# Altium PCB openmv2025.PcbDoc (part 2 of 2)
Units mm, origin at the board's own origin, x right, y up, seen from the top; angles counter-clockwise.
Board outline 130 x 110.34 mm, 2 copper layers (Top Layer, Bottom Layer); 112 components, 172 nets, 482 pads, 127 vias.
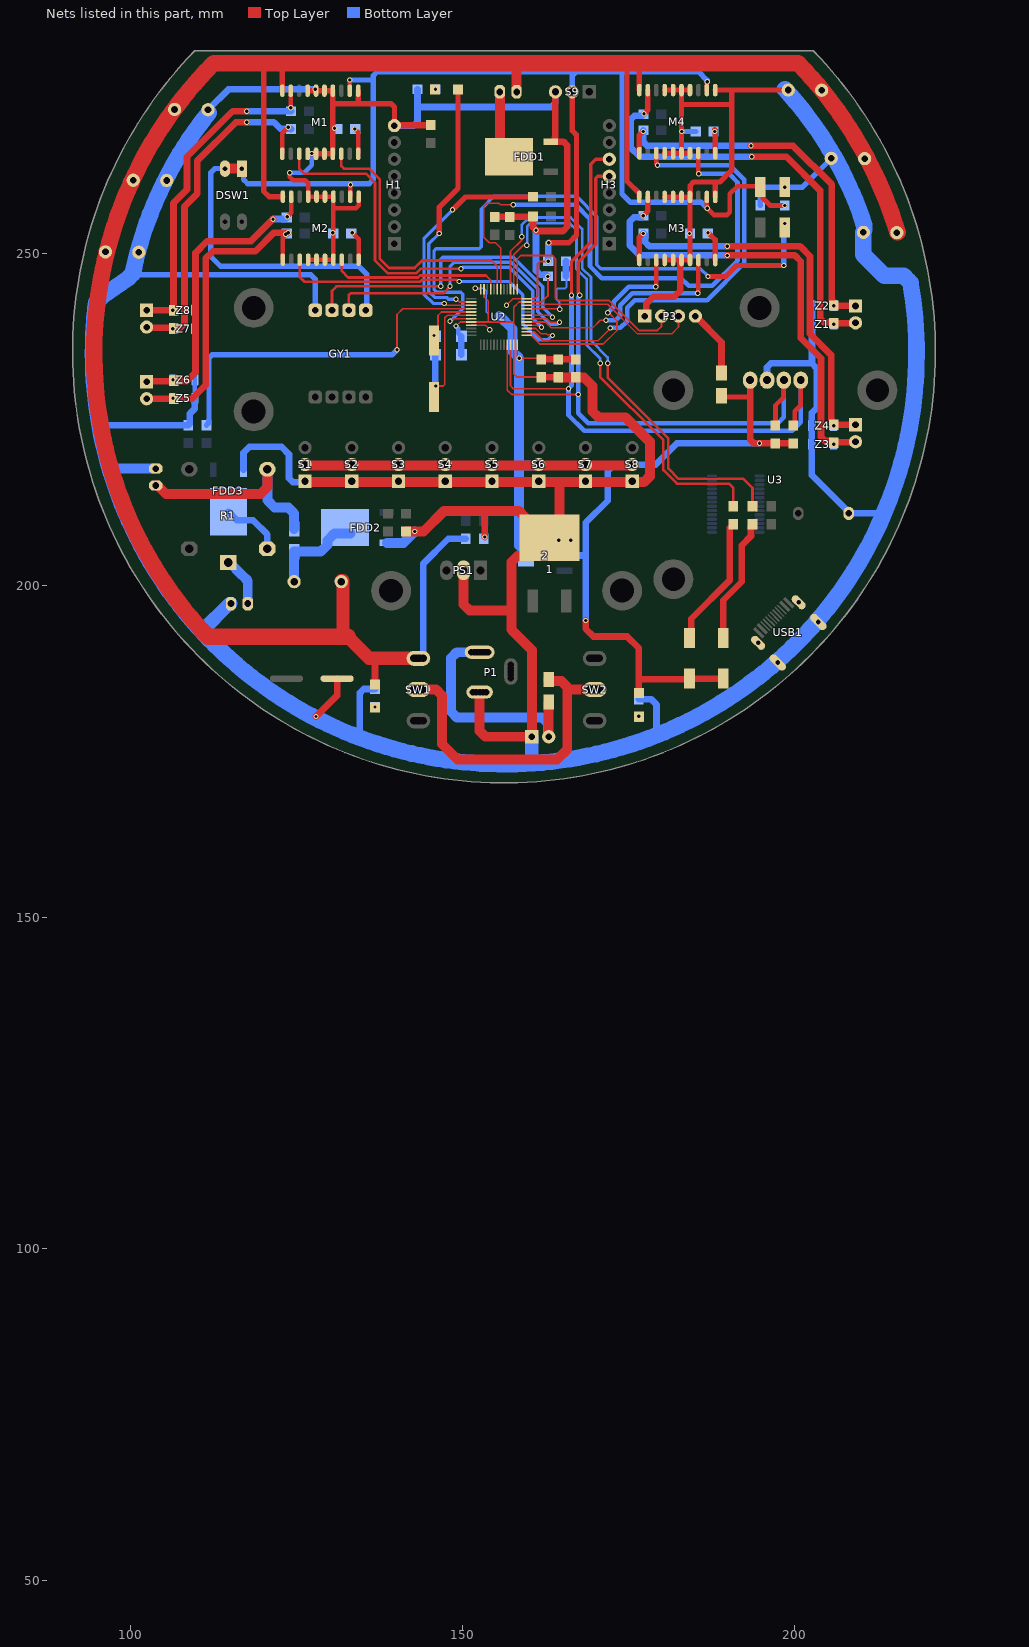
[diagram p2: the nets of this part, all layers, seen from the top]

## Via types
v1: diameter 0.8, hole 0.5, Top Layer to Bottom Layer, tented both sides, 127 vias

## Nets (pads, with @x,y where several pads share a name; then routed paths per layer and width w, separated by ;. In a path a pad name is that pad's centre, name@x,y a point inside that pad or via, vN(x,y) a via of type N, cw(c..) or ccw(c..) an arc to the next point about the centre after c; other vN are vias at no path point) (continued)
GND: 1.4 2.1 b1.2 C1.- C2.- C3.- C6.2 C7.1 C8.1 C9.1 C10.1 C11.- C12.- C15.- C16.1 C17.1 C22.2 C23.2 C24.1 C25.1 CAP1.2 FDD1.3 FDD2.3 FDD3.3 GY1.4 H1.8 H2.1 M1.1 M1.4 M1.5 M1.6 M1.7 M1.14 M1.15 M1.16 M1.17 M2.1 M2.4 M2.5 M2.6 M2.7 M2.14 M2.15 M2.16 M2.17 M3.1 M3.4 M3.5 M3.6 M3.7 M3.14 M3.15 M3.16 M3.17 M4.1 M4.4 M4.5 M4.6 M4.7 M4.14 M4.15 M4.16 M4.17 P1.2 P3.1 PS1.2 R2.1 R4.1 R5.1 R6.2 R14.1 R15.1 R17.2 R18.2 R20.1 R21.1 R23.1 S1.1 S2.1 S3.1 S4.1 S5.1 S6.1 S7.1 S8.1 S9.3 SHOOT1.1 SW6.2 U2.8 U2.23 U2.35 U2.47 U3.2 USB1.13 USB1.14 USB1.15 USB1.16 Z1.1 Z2.1 Z3.1 Z4.1 Z5.1 Z6.1 Z7.1 Z8.1 | length 950.9
  Top Layer w0.25: v1(148.971,239.035) 149.597,239.661 U2.8@151.268,239.661 153.82,239.661 ; U2.47@153.198,244.591 153.198,243.423 153.82,242.801 153.82,239.661 ; 158.115,231.394 157.698,231.811 U2.23@157.698,236.231 157.698,239.649 ; 162.818,243.59 161.889,242.661 U2.35@159.628,242.661 158.473,242.661 157.698,241.886 157.698,239.649 ; 153.82,239.661 157.686,239.661 157.698,239.649
  Top Layer w0.3: 158.115,231.394 161.718,231.394 C8.1@161.798,231.314 ; 162.818,243.59 v1(162.818,246.519)
  Top Layer w0.7: v1(123.952,262.128) 123.952,261.493 124.46,260.985 126.284,260.985 126.694,260.575 M2.7@126.694,258.539 M2.6@127.964,258.539 M2.5@129.234,258.539 M2.4@130.504,258.539 130.504,256.794 ; M2.14@126.694,249.039 M2.15@127.964,249.039 M2.16@129.234,249.039 M2.17@130.504,249.039 130.504,256.794 ; M2.1@134.314,258.539 134.314,257.204 133.904,256.794 130.504,256.794
  Top Layer w0.8: M1.7@126.619,274.498 M1.6@127.889,274.498 M1.5@129.159,274.498 M1.4@130.429,274.498 130.429,272.542 ; v1@127.254,264.998 M1.15@127.889,264.998 M1.16@129.159,264.998 M1.17@130.429,264.998 130.429,272.542 ; M1.1@134.239,274.498 134.239,272.542 ; H1.8@139.7,269.24 139.7,272.034 139.192,272.542 134.239,272.542 ; M3.14@180.415,248.996 M3.15@181.685,248.996 M3.16@182.955,248.996 M3.17@184.225,248.996 M3.4@184.225,258.496 ; M3.7@180.415,258.496 M3.6@181.685,258.496 M3.5@182.955,258.496 M3.4@184.225,258.496 ; M4.14@180.415,265.094 M4.15@181.685,265.094 M4.16@182.955,265.094 ; M4.7@180.415,274.594 M4.6@181.685,274.594 M4.5@182.955,274.594 ; v1@182.955,268.403 182.955,272.415 ; v1(183.007,268.351) 182.955,268.299 M4.16@182.955,265.094 ; M4.17@184.225,265.094 M4.16@182.955,265.094 ; M4.4@184.225,274.594 M4.5@182.955,274.594 ; M3.1@188.035,258.496 188.035,260.731 ; M4.1@188.035,274.594 190.5,274.594 ; C11.-@199.032,274.594 190.5,274.594 ; 130.429,272.542 134.239,272.542 ; 182.955,272.415 M4.5@182.955,274.594 ; 182.955,272.415 190.5,272.415 ; M3.4@184.225,258.496 184.275,258.546 184.275,260.221 184.785,260.731 188.035,260.731 ; 188.035,260.731 188.722,260.731 190.5,262.509 190.5,272.415 ; 190.5,272.415 190.5,274.594
  Top Layer w1: v1(127.889,180.213) 131.064,183.388 C6.2@131.064,185.928 ; H1.8@139.7,269.24 139.74,269.28 145.121,269.28 C7.1@145.161,269.32 ; 153.162,211.201 153.289,211.074 v1(153.289,207.264) ; R4.1@154.813,255.477 154.843,255.507 160.545,255.507 R6.2@160.575,255.536 160.575,253.951 161.161,253.365 165.1,253.365 165.735,254 165.735,266.235 165.149,266.821 FDD1.3@163.875,266.821 ; 157.226,198.247 157.353,198.374 ; C8.1@161.798,231.314 C9.1@164.401,231.314 ; FDD1.3@163.275,266.821 FDD1.3@163.875,266.821 ; S9.3@163.957,274.32 163.957,267.503 163.875,267.421 FDD1.3@163.875,266.821 ; P3.1@177.419,240.538 177.654,240.773 177.654,242.424 178.689,243.459 181.864,243.459 182.753,244.348 182.753,248.194 182.805,248.246 182.805,248.846 M3.16@182.955,248.996
  Top Layer w1.5: S1.1@126.238,215.519 133.279,215.519 140.321,215.519 147.362,215.519 154.404,215.519 161.445,215.519 164.55,215.519 ; R2.1@141.431,208.085 v1(142.754,208.085) 144.077,208.085 147.193,211.201 153.162,211.201 158.439,211.201 159.318,210.322 159.318,209.887 162.068,207.137 1.4@163.068,207.137 ; PS1.2@150.114,202.247 150.114,197.094 150.993,196.215 157.353,196.215 ; P1.2@153.543,183.896 P1.2@152.543,183.896 152.543,178.044 153.422,177.165 H2.1@160.401,177.165 160.401,190.246 157.353,193.294 157.353,196.215 ; C9.1@164.401,231.314 C10.1@167.005,231.314 167.03,231.289 168.253,231.289 169.545,229.997 169.545,226.177 170.424,225.298 174.498,225.298 178.181,221.615 178.181,216.398 177.302,215.519 175.528,215.519 168.487,215.519 164.55,215.519 ; 157.353,196.215 157.353,198.374 157.353,203.508 158.232,204.387 160.318,204.387 1.4@163.068,207.137 ; 1.4@163.068,207.137 164.55,208.619 164.55,215.519
  Bottom Layer w0.7: Z7.1@109.6,238.638 Z8.1@109.6,241.427 ; Z7.1@109.622,238.638 109.622,228.171 Z5.1@109.643,228.149 ; v1(123.952,262.128) 126.111,262.128 127.254,263.271 v1(127.254,265.049) ; v1(148.971,239.035) 148.971,239.008 149.303,238.676 149.303,237.965 C23.2@149.778,237.49 ; H2.1@160.401,177.165 H2.1@160.586,176.98
  Bottom Layer w0.8: 100.417,247.639 101.295,246.761 127.127,246.761 127.762,246.126 GY1.4@127.762,241.427 ; v1(183.007,268.351) C16.1@185.086,268.351 ; R14.1@194.818,257.255 194.818,259.5 195.287,259.969 v1(198.501,259.969) 201.171,259.969 C12.-@205.509,264.307
  Bottom Layer w1: 95.266,224.135 95.294,224.108 R23.1@108.653,224.108 108.878,224.333 108.878,225.845 109.593,226.56 109.593,228.099 Z5.1@109.643,228.149 ; C3.-@111.61,271.633 114.678,274.701 v1(127.762,274.701) ; FDD3.3@116.961,217.379 116.961,219.958 117.85,220.847 122.688,220.847 123.825,219.71 123.825,216.105 124.411,215.519 S1.1@126.238,215.519 ; 134.677,176.937 134.493,177.121 134.493,183.771 135.079,184.357 R21.1@136.779,184.357 ; H1.8@139.7,269.24 142.621,269.24 143.176,269.795 143.176,272.248 ; R20.1@143.176,274.701 143.176,272.248 ; C22.2@149.778,234.696 C23.2@149.778,237.49 ; v1(161.036,253.492) 161.036,247.396 161.667,246.765 162.572,246.765 v1(162.818,246.519) ; S9.3@163.957,274.32 163.957,272.62 163.371,272.034 143.39,272.034 143.176,272.248 ; R15.1@176.53,182.833 178.355,182.833 179.185,182.003 179.185,177.383 ; U3.2@195.834,230.378 U3.2@195.834,230.886 195.834,232.84 196.42,233.426 202.565,233.426 ; Z2.1@202.609,242.114 Z1.1@202.609,239.325 202.609,233.47 202.565,233.426 ; 213.5,210.941 213.379,210.82 b1.2@208.153,210.82 208.153,211.02 202.566,216.607 Z3.1@202.566,221.239 Z4.1@202.566,224.028 202.566,225.934 203.327,226.695 203.327,232.664 202.565,233.426
  Bottom Layer w1.5: 96.828,217.529 96.85,217.551 CAP1.2@103.759,217.551 ; FDD2.3@138.557,206.387 141.056,206.387 v1(142.754,208.085)
  Bottom Layer w2: 110.783,192.959 110.783,193.174 114.84,197.231 SHOOT1.1@115.062,197.231 ; H2.1@160.401,177.165 160.401,173.436 160.658,173.179
  Bottom Layer w2.5: 99.743,246.406 99.59,246.254 95.699,243.517 ccw(c97.135,241.47) 95.696,243.514 95.52,243.391 95.368,243.238 94.751,242.622 ccw(c156.351,235.088) 94.65,241.738 ccw(c156.351,235.088) 134.677,176.937 ccw(c156.351,235.088) 160.658,173.179 ccw(c156.351,235.088) 179.185,177.383 ccw(c156.351,235.088) 192.057,184.33 ccw(c156.419,234.991) 217.447,245.583 ; 99.743,246.406 100.266,246.93 cw(c155.77,235.517) 100.417,247.639 cw(c155.77,235.517) C3.-@111.743,271.189 ; C11.-@198.544,274.688 cw(c157.99,237.325) 210.463,254.273 210.463,253.875 210.463,253.548 210.379,253.232 C15.-@210.357,253.151 210.357,249.764 213.487,246.634 216.408,246.634 217.17,245.872
  other v1: 164.465,206.756 166.243,206.756 184.15,252.984 130.429,253.111 130.683,268.859
I2C_SCL: 
I2C_SDA: 
ID: R16.1 R17.1 U2.33 | length 13.8
  Top Layer w0.25: U2.33@159.628,241.661 164.336,241.661 164.443,241.554 v1(164.592,241.554)
  Bottom Layer w0.3: v1(164.592,241.554) 164.592,242.57 164.084,243.078 164.084,244.475 164.338,244.729 165.432,244.729 165.608,244.905 165.608,246.47 R17.1@165.539,246.54
  Bottom Layer w1: R17.1@165.539,246.54 165.55,246.551 165.55,248.782 R16.1@165.561,248.793
INA1: M1.13 U2.28 | length 61
  Top Layer w0.25: U2.28@159.628,239.161 161.192,239.161 161.366,238.987 161.761,238.987 v1(161.866,238.882)
  Top Layer w0.4: M1.13@125.349,264.998 125.349,262.763 126.111,262.001 135.382,262.001 136.779,260.604 136.779,248.92 138.684,247.015 143.002,247.015 143.637,247.65 v1(149.733,247.65)
  Bottom Layer w0.5: v1(149.733,247.65) 149.76,247.65 150.014,247.904 156.992,247.904 160.552,244.344 160.552,240.196 v1(161.866,238.882)
INA2: M2.13 U2.27 | length 52
  Top Layer w0.25: U2.27@159.628,238.661 160.985,238.661 161.775,237.871 162.612,237.871 162.764,237.719 163.407,237.719 v1(163.512,237.614)
  Top Layer w0.4: M2.13@125.424,249.039 125.424,246.432 126.141,245.715 143.54,245.715 143.824,245.999 149.117,245.999 149.371,245.745 v1(149.479,245.745)
  Bottom Layer w0.5: v1(149.479,245.745) 157.03,245.745 159.05,243.725 159.05,239.359 161.427,236.982 162.799,236.982 163.431,237.614 v1(163.512,237.614)
INA3: M4.13 U2.26 | length 67.9
  Top Layer w0.25: U2.26@159.628,238.161 160.778,238.161 162.104,236.835 170.373,236.835 172.212,238.674 v1(172.212,238.76)
  Top Layer w0.7: M4.13@179.145,265.094 179.145,263.45 v1(179.324,263.271)
  Bottom Layer w0.7: v1(172.212,238.76) 173.736,238.76 174.752,239.776 174.752,241.808 175.895,242.951 186.814,242.951 192.405,248.542 192.405,261.112 190.246,263.271 v1(179.324,263.271)
INA4: M3.13 U2.25 | length 31.7
  Top Layer w0.25: U2.25@159.628,237.661 160.283,237.661 161.609,236.335 171.184,236.335 173.228,238.379 173.228,239.798 171.98,241.046 v1(171.831,241.046)
  Top Layer w0.3: M3.13@179.145,248.996 M3.13@179.171,248.97
  Top Layer w0.7: v1(179.07,244.983) 179.145,245.058 M3.13@179.145,248.97
  Bottom Layer w0.7: v1(171.831,241.046) 172.72,241.935 172.72,242.697 175.006,244.983 v1(179.07,244.983)
INA_1: 
INA_2: 
INA_3: 
INA_4: 
INB1: 
INB2: 
INB3: 
INB4: 
INB_1: 
INB_2: 
INB_3: 
INB_4: 
Inductor: D6.1 FDD2.4 U1.1@124.587,200.533 | length 14.6
  Bottom Layer w1.5: U1.1@124.587,200.533 D6.1@124.587,205.056 128.602,205.056 129.611,206.065 129.611,206.738 130.645,207.772 FDD2.4@133.096,207.772
LED1: D1.2 R21.2
  other v1: 136.779,181.657
LED2: D4.2 R15.2
  other v1: 176.53,180.241
LED3: D2.1 U2.2 | length 39.3
  Top Layer w0.25: v1(148.971,243.078) 149.052,243.078 149.469,242.661 U2.2@151.268,242.661
  Top Layer w0.8: v1(146.431,252.984) 146.431,256.921 149.287,259.777 D2.1@149.287,274.706
  Bottom Layer w0.5: v1(146.431,252.984) 144.895,251.448 144.895,244.203 145.751,243.347 147.567,243.347 147.821,243.093 148.956,243.093 v1(148.971,243.078)
LED3_RES: D2.2 R20.2
  other v1: 145.876,274.701
LED4: 
LED5: 
M1: FDD1.4 SPIN1.2 | length 10.4
  Top Layer w1.5: SPIN1.2@155.575,274.32 155.575,265.941 FDD1.4@156.975,264.541
MA1: 
MA2: 
MA3: 
MA4: 
MB1: 
MB2: 
MB3: 
MB4: 
"MODE MA +": 
"MODE MA -": 
MOTOR: 
MOTORS_EN: 
NetD5_1: D5.1 P3.4 | length 10.2
  Top Layer w1: P3.4@185.039,240.538 188.976,236.601 D5.1@188.976,231.951
NRST: R13.2 SW6.1 U2.7 | length 94.4
  Top Layer w0.25: v1(148.082,239.776) 148.231,239.776 148.616,240.161 U2.7@151.268,240.161
  Top Layer w0.8: v1(186.944,246.507) 189.611,246.507 191.262,248.158 v1(198.374,248.158)
  Bottom Layer w0.5: v1(148.082,239.776) 149.987,241.681 149.987,243.828 149.694,244.121 146.062,244.121 145.669,244.514 145.669,250.405 145.962,250.698 152.488,250.698 152.781,250.991 152.781,256.667 154.686,258.572 167.132,258.572 170.18,255.524 170.18,248.285 170.815,247.65 185.801,247.65 v1(186.944,246.507)
  Bottom Layer w0.8: v1(198.374,248.158) 198.374,254.371 v1(198.501,254.498)
OSC_IN: C23.1 U2.5 Y1.2 | length 9.2
  Top Layer w0.25: Y1.2@145.669,236.855 146.269,237.455 146.269,240.63 146.8,241.161 U2.5@151.268,241.161
  other v1: 145.669,237.617
OSC_OUT: C22.1 U2.6 Y1.1 | length 21.9
  Top Layer w0.25: Y1.1@145.669,228.355 145.669,229.397 146.096,229.824 146.269,229.997 147.066,229.997 147.303,230.234 147.303,240.267 147.697,240.661 U2.6@151.268,240.661
  Bottom Layer w1: C22.1@145.878,234.696 145.878,230.042 v1(145.923,229.997)
OUT_1A: C5.1 C26.2 M1.11 P7.2 Z7.2 | length 52.7
  Top Layer w0.7: M1.11@122.809,264.998 122.809,268.097 v1(123.698,268.986)
  Top Layer w1: P7.2@102.362,238.887 102.442,238.807 106.346,238.807 C5.1@106.426,238.727 106.459,238.76 107.442,238.76 108.077,239.395 108.077,257.048 109.982,258.953 109.982,263.906 115.824,269.748 v1(117.475,269.748)
  Bottom Layer w1: v1(117.475,269.748) 121.539,269.748 122.53,268.757 124.101,268.757 C26.2@124.126,268.732
  other v1: 106.3,238.638
OUT_1B: C5.2 C27.2 M1.9 P7.1 Z8.2 | length 49.1
  Top Layer w0.7: v1(124.079,271.907) M1.9@124.079,274.498
  Top Layer w1: P7.1@102.362,241.427 C5.2@106.426,241.427 106.426,257.556 108.458,259.588 108.458,264.541 115.316,271.399 v1(117.475,271.399)
  Bottom Layer w1: v1(117.475,271.399) C27.2@124.126,271.399
  other v1: 106.3,241.427
OUT_2A: C4.1 C29.2 M2.11 P6.2 Z5.2 | length 47.5
  Top Layer w0.7: M2.11@122.884,249.039 122.884,252.424 v1(123.317,252.857)
  Top Layer w1: P6.2@102.362,228.092 C4.1@106.4,228.092 ; v1(106.343,228.149) C4.1@106.4,228.092 ; v1(123.698,253.111) 121.539,253.111 118.745,250.317 112.346,250.317 111.252,249.223 111.252,230.124 109.22,228.092 C4.1@106.426,228.092 C4.1@106.4,228.092
  Bottom Layer w1: v1(123.317,252.857) 123.393,252.857 123.647,253.111 v1(123.698,253.111)
OUT_2B: C4.2 C28.2 M2.9 P6.1 Z6.2 | length 45.4
  Top Layer w0.7: v1(123.571,255.524) 124.154,256.107 M2.9@124.154,258.539
  Top Layer w1: P6.1@102.362,230.632 102.442,230.712 106.346,230.712 C4.2@106.426,230.792 ; v1(106.343,230.938) 106.522,230.759 108.458,230.759 109.728,232.029 109.728,250.063 111.506,251.841 118.11,251.841 v1(121.412,255.143)
  Bottom Layer w1: v1(121.412,255.143) 121.441,255.172 123.266,255.172 C28.2@123.491,255.397
OUT_3A: C14.1 C20.2 M4.11 P5.1 Z2.2 | length 58
  Top Layer w0.8: M4.11@176.605,265.094 176.605,267.791 v1(177.165,268.351)
  Top Layer w1: v1(193.421,266.192) 199.771,266.192 205.613,260.35 205.613,243.003 205.642,242.974 205.642,242.367 205.907,242.102 209.129,242.102 P5.1@209.169,242.062
  Bottom Layer w1: C20.2@177.212,268.531 177.212,266.778 177.798,266.192 v1(193.421,266.192)
  other v1: 205.909,242.114
OUT_3B: C14.2 C21.2 M4.9 P5.2 Z1.2 | length 66.6
  Top Layer w0.8: v1(177.292,271.018) 177.875,271.601 M4.9@177.875,274.594
  Top Layer w1: v1(193.548,264.541) 198.755,264.541 203.835,259.461 203.835,240.203 204.421,239.617 205.692,239.617 C14.2@205.867,239.442 205.907,239.482 209.129,239.482 P5.2@209.169,239.522
  Bottom Layer w1: v1(177.292,271.018) 176.993,270.719 175.846,270.719 175.26,270.133 175.26,265.938 176.657,264.541 v1(193.548,264.541)
  other v1: 205.909,239.325
OUT_4A: C13.1 C18.2 M3.11 P4.1 Z4.2 | length 61.8
  Top Layer w0.8: M3.11@176.605,248.996 176.605,252.424 v1(177.165,252.984)
  Top Layer w1: v1(189.865,251.079) 200.787,251.079 202.311,249.555 202.311,237.871 205.486,234.696 205.486,225.016 205.642,224.86 205.642,224.252 v1(205.866,224.028) ; C13.1@205.867,224.155 P4.1@209.169,224.155
  Bottom Layer w1: v1(189.865,251.079) 178.073,251.079 177.487,251.665 177.487,252.759 C18.2@177.262,252.984 ; C18.2@177.262,252.984 v1(177.165,252.984) C18.2@177.262,252.984
OUT_4B: C13.2 C19.2 M3.9 P4.2 Z3.2 | length 69.3
  Top Layer w0.8: v1(177.165,255.651) 177.875,256.361 M3.9@177.875,258.496
  Top Layer w1: v1(189.865,249.682) 200.025,249.682 200.914,248.793 200.914,237.236 203.962,234.188 203.962,222.316 204.548,221.73 205.642,221.73 205.642,221.68 C13.2@205.867,221.455 205.947,221.535 209.089,221.535 P4.2@209.169,221.615
  Bottom Layer w1: v1(177.165,255.651) 176.94,255.426 175.797,255.426 175.133,254.762 175.133,251.206 176.657,249.682 v1(189.865,249.682)
  other v1: 205.866,221.239
PWM1: M1.18 U2.43 | length 43
  Top Layer w0.25: 154.305,248.92 155.198,248.027 U2.43@155.198,244.591
  Top Layer w0.4: M1.18@131.699,264.998 131.699,263.144 132.08,262.763 135.839,262.763 137.495,261.107 137.495,249.163 138.881,247.777 142.748,247.777 143.891,248.92 154.305,248.92
PWM2: M2.18 U2.45 | length 26.3
  Top Layer w0.25: 153.511,246.634 154.198,245.947 U2.45@154.198,244.591
  Top Layer w0.4: M2.18@131.774,249.039 131.774,247.321 132.73,246.365 143.271,246.365 143.555,246.649 153.496,246.649 153.511,246.634
PWM3: M4.18 U2.42 | length 84.7
  Top Layer w0.25: U2.42@155.698,244.591 155.698,250.806 154.915,251.589 153.971,251.589 153.162,252.398 153.162,257.048 153.67,257.556 155.437,257.556 155.691,257.302 v1(157.607,257.302)
  Top Layer w0.7: M4.18@185.495,265.094 185.495,262.053 v1(185.547,262.001)
  Bottom Layer w0.7: v1(157.607,257.302) 167.005,257.302 169.164,255.143 169.164,248.031 170.942,246.253 182.88,246.253 184.023,245.11 187.579,245.11 191.389,248.92 191.389,260.731 190.119,262.001 v1(185.547,262.001)
PWM4: M3.18 U2.29 | length 34.3
  Top Layer w0.25: U2.29@159.628,239.661 162.421,239.661 163.322,238.76 169.545,238.76 170.688,239.903 v1(171.577,239.903)
  Top Layer w0.7: v1(185.42,243.967) 185.495,244.042 M3.18@185.495,248.996
  Bottom Layer w0.7: v1(171.577,239.903) 173.072,239.903 173.736,240.567 173.736,242.189 175.514,243.967 v1(185.42,243.967)
PWM_1: 
PWM_2: 
PWM_3: 
PWM_4: 
RELAY: FDD3.4 R1.5 | length 9.5
  Bottom Layer w1: FDD3.4@114.681,211.079 115.987,209.773 118.395,209.773 120.556,207.612 R1.5@120.556,205.464
RELAY_CTRL: 
RES1: 
RES2: 
RES3: 
RES4: 
RES5: 
RX: GY1.3 U2.31 | length 50.2
  Top Layer w0.25: U2.31@159.628,240.661 163.098,240.661 163.377,240.382 v1(163.519,240.382)
  Top Layer w0.4: GY1.3@130.302,241.427 130.302,244.348 130.979,245.025 v1(146.685,245.025)
  Bottom Layer w0.5: v1(146.685,245.025) 146.685,249.111 146.978,249.404 157.614,249.404 162.052,244.966 162.052,241.849 v1(163.519,240.382)
RX2: 
S3: 
S4: 
S5: 
S6: 
S7: 
S8: 
S9: 
S10: 
S11: 
S12: 
S13: 
S14: 
S15: 
SCL: H3.5 R11.1 U2.21 U3.3 | length 100.6
  Top Layer w0.25: U2.21@156.698,236.231 156.698,229.382 157.353,228.727 v1(167.386,228.727)
  Top Layer w0.5: v1(167.636,243.662) 167.636,243.743 167.386,243.993 167.386,248.666 170.053,251.333 170.053,261.327 170.346,261.62 H3.5@172.085,261.62
  Top Layer w0.7: R11.1@197.102,224.061 197.102,227.074 198.374,228.346 U3.3@198.374,230.378
  Bottom Layer w0.7: v1(167.636,243.662) 167.636,243.635 167.386,243.385 v1(167.386,228.727) 167.386,225.933 168.91,224.409 197.485,224.409 198.374,225.298 U3.3@198.374,230.378
SDA: H3.6 R12.1 U2.22 U3.4 | length 106.5
  Top Layer w0.25: U2.22@157.198,236.231 157.198,230.025 157.607,229.616 v1(165.924,229.616)
  Top Layer w0.5: v1(166.37,243.662) 166.37,248.711 169.291,251.632 169.291,263.398 170.053,264.16 H3.6@172.085,264.16
  Top Layer w0.7: R12.1@199.771,224.061 200.025,224.315 200.025,226.187 200.914,227.076 U3.4@200.914,230.378
  Bottom Layer w0.7: v1(166.37,243.662) 166.37,230.062 v1(165.924,229.616) 165.924,225.617 168.275,223.266 199.644,223.266 200.914,224.536 U3.4@200.914,230.378
SHIFT5: 
shoot: R22.1 U2.4 | length 56
  Top Layer w0.25: v1(140.081,235.458) 140.081,240.792 140.95,241.661 U2.4@151.268,241.661
  Bottom Layer w0.8: R22.1@111.379,224.108 111.704,224.433 111.704,224.896 111.76,224.952 111.76,234.227 112.229,234.696 139.319,234.696 v1(140.081,235.458)
spin: R7.2 U2.3 | length 35.2
  Top Layer w0.25: v1(147.193,242.443) 147.274,242.443 147.556,242.161 U2.3@151.268,242.161
  Top Layer w0.8: v1(148.463,256.54) 150.419,258.496 R7.2@160.575,258.496
  Bottom Layer w0.5: v1(147.193,242.443) 145.542,242.443 144.145,243.84 144.145,252.222 v1(148.463,256.54)
SW1: R8.1 U2.38 | length 74.6
  Top Layer w0.25: U2.38@157.698,244.591 157.698,249.773 159.131,251.206 v1(159.639,251.206)
  Top Layer w0.4: v1(170.688,233.426) 170.688,231.394 180.213,221.869 180.213,217.337 182.265,215.286 190.098,215.286 190.768,214.616 R8.1@190.768,211.894
  Bottom Layer w0.4: v1(159.639,251.206) 159.716,251.283 159.716,251.565 159.731,251.581 159.731,254.092 160.147,254.508 166.116,254.508 167.132,253.492 167.132,247.65 168.656,246.126 168.656,236.22 170.688,234.188 v1(170.688,233.426)
SW2: R9.1 U2.39 | length 78.8
  Top Layer w0.25: U2.39@157.198,244.591 157.198,250.289 158.877,251.968 v1(158.877,252.476)
  Top Layer w0.4: v1(171.831,233.426) 171.831,231.267 180.975,222.123 180.975,217.551 182.499,216.027 192.278,216.027 193.642,214.663 R9.1@193.642,211.894
  Bottom Layer w0.4: v1(158.877,252.476) 158.877,254.254 160.02,255.397 166.243,255.397 167.983,253.657 167.983,247.718 169.306,246.395 169.306,236.84 171.831,234.315 v1(171.831,233.426)
SW3: 
SW4: 
SW5: 
SWCLK: P3.2 U2.37 | length 36.4
  Top Layer w0.25: U2.37@158.198,244.591 158.198,249.13 158.75,249.682
  Top Layer w0.3: 158.75,249.682 163.449,249.682 163.957,249.174 163.957,243.332 164.431,242.858 172.051,242.858 176.529,238.38 179.325,238.38 179.959,239.014 P3.2@179.959,240.538
SWDIO: P3.3 U2.34 | length 26.9
  Top Layer w0.25: U2.34@159.628,242.161 162.312,242.161 162.484,242.333 171.834,242.333 176.311,237.855 181.467,237.855 182.499,238.887 P3.3@182.499,240.538
SWR1: 
SWR2: R9.2 SW4.1 | length 19
  Top Layer w1: SW4.1@189.23,192.024 189.23,197.739 192.018,200.527 192.018,205.988 193.417,207.387 193.417,208.969 R9.2@193.642,209.194
SWR3: R8.2 SW3.1 | length 19.9
  Top Layer w1: SW3.1@184.15,192.024 184.408,192.282 184.408,194.949 190.246,200.787 190.246,208.621 190.768,209.144 R8.2@190.768,209.194
SWR4: 
SWR5: 
TX: GY1.2 U2.30 | length 49.1
  Top Layer w0.25: U2.30@159.628,240.161 162.639,240.161 163.197,239.603 164.546,239.603 v1(164.575,239.632)
  Top Layer w0.4: GY1.2@132.842,241.427 132.842,243.713 133.096,243.967 147.066,243.967 148.082,244.983 v1(148.082,245.025)
  Bottom Layer w0.5: v1(148.082,245.025) 148.082,248.031 148.705,248.654 157.303,248.654 161.302,244.655 161.302,241.21 163.244,239.268 164.132,239.268 164.496,239.632 v1(164.575,239.632)
TX2: 
UART1_RX: 
UART1_TX: 
UART2_RX: 
UART2_TX: 
VBat: D3.1 H2.2 P1.1 | length 35.4
  Top Layer w1.5: H2.2@162.941,177.165 D3.1@162.941,182.401
  Bottom Layer w1.5: P1.1@152.543,189.896 P1.1@152.143,189.896 P1.1@151.743,189.896 149.088,189.896 148.209,189.017 148.209,180.965 149.088,180.086 161.967,180.086 162.845,179.207 162.845,177.261 H2.2@162.941,177.165
VBOOST: CAP1.1 D6.2 R1.3 | length 32.3
  Top Layer w1.5: CAP1.1@103.759,215.011 104.013,215.011 105.283,213.741 119.507,213.741 120.556,214.79 R1.3@120.556,217.464
  Bottom Layer w1.5: R1.3@120.556,217.464 120.556,212.809 121.656,211.709 123.708,211.709 124.587,210.83 D6.2@124.587,208.456
VCC: 2.2 2.4 C8.2 C9.2 C10.2 D4.1 D5.2 DSW1.1 DSW1.2 GY1.1 M1.2 M2.2 M3.2 M4.2 R11.2 R12.2 R13.1 R16.2 S1.2 S2.2 S3.2 S4.2 S5.2 S6.2 S7.2 S8.2 S9.2 SW3.2 SW4.2 SW5.2 U2.9 U2.24 U2.36 U2.48 U3.1 | length 459.9
  Top Layer w0.25: U2.9@151.268,239.161 153.433,239.161 154.051,238.543 v1(154.051,238.506) ; v1(151.892,244.729) 152.041,244.729 152.179,244.591 U2.48@152.698,244.591 ; v1(156.591,242.189) 157.563,243.161 160.865,243.161 161.29,243.586 ; U2.24@158.198,236.231 158.198,234.486 v1(158.496,234.188) C8.2@161.624,234.188
  Top Layer w0.3: 161.29,243.586 161.29,248.412 161.671,248.793 v1(162.861,248.793) ; C8.2@161.624,234.188 C8.2@161.798,234.014
  Top Layer w0.7: M1.2@132.969,274.498 v1(132.969,276.098) ; M2.2@133.044,258.539 133.044,260.298 v1(133.096,260.35) ; M3.2@186.765,258.496 186.765,256.846 v1(186.817,256.794) 187.833,255.778 189.836,255.778 190.246,256.188 190.246,258.953 191.389,260.096 194.691,260.096 SW5.2@194.818,259.969 ; M4.2@186.765,274.594 186.765,275.765 186.817,275.817 v1(186.817,275.844)
  Top Layer w0.8: v1(162.941,251.587) 165.989,251.587 167.132,252.73 167.132,267.843 166.497,268.478 S9.2@166.497,274.32 ; D5.2@188.976,228.551 189.181,228.346 193.294,228.346 ; SW5.2@194.818,259.969 195.218,259.569 195.218,258.299 196.319,257.198 v1(198.501,257.198)
  Top Layer w1: C8.2@161.798,234.014 C9.2@164.401,234.014 C10.2@167.005,234.014 ; v1(168.529,194.691) 168.529,193.421 169.672,192.278 174.752,192.278 176.53,190.5 176.53,185.801 ; D4.1@176.53,183.741 176.53,185.801 ; SW4.2@189.23,185.928 SW3.2@184.15,185.928 184.023,185.801 176.53,185.801 ; U3.1@193.294,230.378 193.294,228.346 193.294,221.947 193.88,221.361 R11.2@197.102,221.361 R12.2@199.771,221.361
  Top Layer w1.5: DSW1.2@114.173,262.763 DSW1.1@116.713,262.763 ; S1.2@126.238,218.059 133.279,218.059 140.321,218.059 147.362,218.059 154.404,218.059 161.445,218.059 168.487,218.059 S8.2@175.528,218.059
  Bottom Layer w0.25: v1(151.892,244.729) 153.162,244.729 153.543,244.348 153.543,241.173 153.797,240.919
  Bottom Layer w0.8: v1(132.969,276.098) 136.525,276.098 ; GY1.1@135.382,241.427 135.509,241.554 135.509,246.888 134.366,248.031 113.538,248.031 112.014,249.555 112.014,262.128 112.649,262.763 DSW1.2@114.173,262.763 DSW1.1@116.713,262.763 116.967,262.509 116.967,261.112 117.602,260.477 135.89,260.477 136.525,261.112 136.525,276.098 ; S9.2@166.497,274.32 166.497,276.733 167.132,277.368 ; v1(186.817,256.794) 185.928,257.683 175.26,257.683 173.99,258.953 173.99,277.368 ; v1(186.817,275.844) 186.817,276.064 185.513,277.368 173.99,277.368 ; 136.525,276.098 136.525,276.782 137.111,277.368 167.132,277.368 ; 167.132,277.368 173.99,277.368
  Bottom Layer w1: 2.4@159.533,204.47 2.2@165.333,204.47 168.178,204.47 168.529,204.119 ; v1(162.861,248.793) 162.861,251.507 v1(162.941,251.587) ; v1(168.529,194.691) 168.529,204.119 ; v1(194.691,221.361) 182.245,221.361 179.039,218.155 172.816,218.155 171.831,217.17 171.831,212.725 168.529,209.423 168.529,204.119
  Bottom Layer w1.5: 155.492,240.582 157.492,238.582 157.492,235.192 v1(158.496,234.188) 158.496,205.957 159.533,204.92 2.4@159.533,204.47 ; 158.877,218.059 S6.2@161.445,218.059
VIN: D3.2 SW1.2 SW2.2 | length 48.6
  Top Layer w1.5: SW1.2@142.621,184.278 SW1.2@143.021,184.278 SW1.2@143.621,184.278 145.992,184.278 146.87,183.399 146.87,176.091 149.225,173.736 164.211,173.736 165.735,175.26 165.735,184.278 ; D3.2@162.941,185.801 162.941,185.616 162.991,185.566 164.838,185.566 165.735,184.668 165.735,184.278 ; SW2.2@169.164,184.278 165.735,184.278
VP: 
VREF1: C24.2 M1.20 | length 3.9
  Top Layer w0.7: v1(133.731,268.732) 134.239,268.224 M1.20@134.239,264.998
VREF2: C25.2 M2.20 | length 4.5
  Top Layer w0.7: v1(133.35,253.111) 134.314,252.147 M2.20@134.314,249.039
VREF3: C16.2 M4.20 | length 3.5
  Top Layer w0.8: v1@187.96,268.605 188.035,268.53 M4.20@188.035,265.094
  other v1: 187.96,268.351
VREF4: C17.2 M3.20 | length 4.6
  Top Layer w0.8: v1(186.944,253.111) 188.035,252.02 M3.20@188.035,248.996
VSHOOT: R1.1 SHOOT1.2 | length 7.5
  Bottom Layer w1.5: R1.1@114.681,203.414 114.831,203.414 116.696,201.549 116.723,201.549 117.602,200.67 SHOOT1.2@117.602,197.231
VSS: C1.+ C2.+ C3.+ C11.+ C12.+ C15.+ D1.1 M1.10 M2.10 M3.10 M4.10 R19.2 SPIN1.1 SW1.3 U1.2@131.699,200.533 | length 337.1
  Top Layer w0.8: 120.015,278.638 120.015,259.334 120.81,258.539 M2.10@122.884,258.539 ; M1.10@122.809,274.498 122.809,278.638 ; 174.752,278.638 174.752,260.849 176.605,258.996 M3.10@176.605,258.496 ; M4.10@176.605,274.594 176.605,278.638
  Top Layer w1: D1.1@136.779,185.039 136.779,188.978
  Top Layer w1.5: SPIN1.1@158.115,274.32 158.115,278.638
  Top Layer w2: U1.2@131.699,200.66 131.953,200.66 131.953,192.913 132.651,192.215 135.888,188.978 136.779,188.978 SW1.3@142.621,188.978 SW1.3@143.021,188.978
  Top Layer w2.5: 112.305,278.473 ccw(c156.419,234.991) 111.621,192.215 132.651,192.215 ; 112.471,278.638 120.015,278.638 122.809,278.638 158.115,278.638 174.752,278.638 176.605,278.638 200.515,278.638 200.713,278.44 cw(c155.42,235.003) C15.+@215.496,253.142
  Bottom Layer w1: SW1.3@144.021,188.978 144.021,203.203 147.816,206.998 R19.2@150.429,206.998
pads on no net: GY1.5 GY1.6 GY1.7 GY1.8 H1.1 H1.2 H1.3 H1.4 H1.5 H1.6 H3.1 H3.2 H3.3 H3.4 H3.7 H3.8 M1.3 M1.8 M2.3 M2.8 M3.3 M3.8 M4.3 M4.8 P1.3 R1.2 SW1.1 SW2.1 U1.1@194.71,216.442 U1.2@194.71,215.792 U1.3 U1.4 U1.5 U1.6 U1.7 U1.8 U1.9 U1.10 U1.11 U1.12 U1.13 U1.14 U1.15 U1.16 U1.17 U1.18 U1.19 U1.20 U1.21 U1.22 U1.23 U1.24 U1.25 U1.26 U1.27 U1.28 U2.1 U2.20 U3. USB1.1 USB1.2 USB1.3 USB1.4 USB1.5 USB1.6 USB1.7 USB1.8 USB1.9 USB1.10 USB1.11 USB1.12 Z1.0 Z2.0 Z3.0 Z4.0 Z5.0 Z6.0 Z7.0 Z8.0
copper on no net: | length 847.2
  Top Layer w0.3: 109.601,280.543 202.819,280.543 ; 109.618,280.527 ccw(c156.21,235.204) 202.804,280.525
  Bottom Layer w0.254: 170.307,47.752 170.307,48.26 ; 171.831,47.498 170.307,48.006 ; 171.831,48.514 170.307,48.006 ; 192.446,48.006 170.307,48.006 ; 208.239,48.006 230.378,48.006 ; 228.854,47.498 230.378,48.006 ; 228.854,48.514 230.378,48.006 ; 230.378,47.752 230.378,48.26
  Bottom Layer w0.3: 109.601,280.543 202.819,280.543 ; 109.618,280.527 ccw(c156.21,235.204) 202.804,280.525

## Polygon pours and split planes (outlines as drawn)
GND on Top Layer "NONET_L01_P000" (solid, shelved, pour order 0): 109.618,280.527 ccw(c156.21,235.204) 202.804,280.525 202.819,280.543
GND on Bottom Layer "NONET_L02_P001" (solid, shelved, pour order 1): 109.618,280.527 ccw(c156.21,235.204) 202.804,280.525 202.819,280.543

## Other copper
Bottom Layer:
  rectangle net VCC: 152.781,237.871 157.781,242.871
  text "FDMX" at 163.296,265.795 h5
  text "OPENMV SHIELD 2205" at 164.275,263.42 h1.6
  text "60.071 (mm)" at 192.7,47.092 h1.52

## Silkscreen, mask and mechanical layers (free items; w line width, h text height)
Mechanical 1:
  lines w0.3: 109.601,280.543 202.819,280.543 ; 109.618,280.527 ccw(c156.21,235.204) 202.804,280.525

## Text inside footprints (layer, text, board x,y; h text height)
C1: Top Overlay "-" at 101.926,249.437 h0.8
C2: Top Overlay "-" at 106.117,260.232 h0.8
C3: Top Overlay "-" at 112.34,270.9 h0.8
C6: Top Overlay "+" at 124.654,184.828 h0.8 r180
C11: Top Overlay "-" at 198.302,275.327 h0.8 r180
C12: Top Overlay "-" at 204.779,265.04 h0.8 r180
C15: Top Overlay "-" at 209.628,253.885 h0.8 r180
DSW1: Top Overlay "ON" at 116.273,257.403 h1 r180
R1: Top Overlay "COM" at 112.7,205.257 h1.5; Top Overlay "NO" at 117.932,213.995 h1.5; Top Overlay "NC" at 109.093,214.173 h1.5
U3: Top Overlay "OLED SH1106" at 192.591,198.427 h0.8; Top Overlay "SDA" at 200.189,228.065 h0.5; Top Overlay "SCL" at 197.649,228.065 h0.5; Top Overlay "GND" at 195.109,228.065 h0.5; Top Overlay "VCC" at 192.569,228.065 h0.5